# KiCad board hypjolin-main.kicad_pcb (continued)
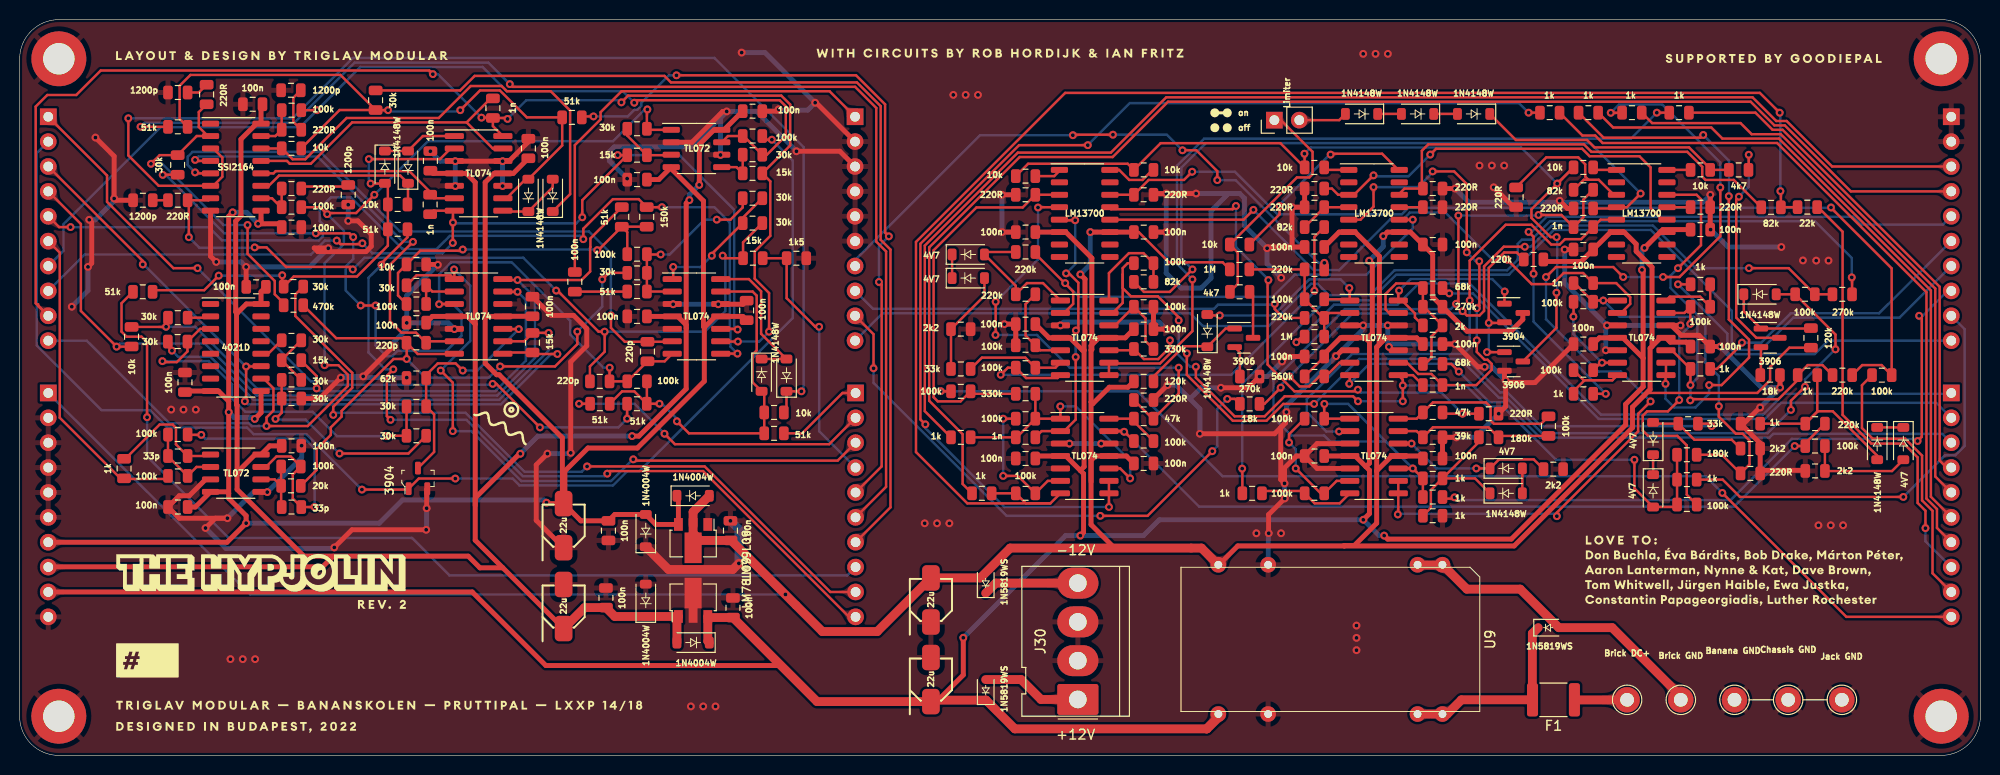
[diagram p0: board, top side]
## Nets (continued)
Net-(D26-Pad2): D26.2 R110.2 R114.1
Net-(D33-Pad1): D33.1 F1.2 U9.22 U9.23
Net-(D33-Pad2): D33.2 J29.1 U9.2 U9.3
Net-(F1-Pad1): F1.1 J28.1
Net-(IC1-Pad2): IC1.2 R23.2
Net-(IC1-Pad3): IC1.3 R19.2 R20.2 R25.2
Net-(IC1-Pad12): IC1.12 R24.2
Net-(IC3-Pad2): IC3.2 R47.2 R49.2 R50.1
Net-(IC3-Pad10): IC3.10 R10.2 R12.1
Net-(IC3-Pad15): IC3.15 R9.2 R11.1
Net-(IC4-Pad3): IC4.3 R14.2 R16.1
Net-(IC4-Pad5): IC4.5 R13.2 R15.1
Net-(IC5-Pad2): IC5.2 R44.2 R48.1
Net-(IC5-Pad9): IC5.9 R19.1 R22.2
Net-(IC5-Pad10): IC5.10 Q1.3 R20.1 R21.2
Net-(IC5-Pad13): IC5.13 R23.1 R26.2 R29.2
Net-(IC6-Pad1): IC6.1 R33.2 R34.1
Net-(IC6-Pad2): IC6.2 R30.2 R31.2 R32.1 R33.1
Net-(J14-Pad1): J14.1 R75.2 R76.1
Net-(Q2-Pad2): Q2.2 R77.1
Net-(Q2-Pad3): Q2.3 R76.2
Net-(Q3-Pad1): Q3.1 R73.1 U3.14
Net-(Q3-Pad2): Q3.2 Q5.1 R79.1
Net-(Q4-Pad2): Q4.2 R82.1
Net-(Q4-Pad3): Q4.3 R81.2
Net-(Q5-Pad3): Q5.3 R95.1 R118.1 R131.1 R139.1
Net-(R24-Pad1): R24.1 R26.1 R27.2
Net-(R25-Pad1): R25.1 R27.1 R28.2
Net-(R31-Pad1): R31.1 R35.2 R36.2 R38.2 R44.1
Net-(R51-Pad2): R51.2 R52.2 U1.14
Net-(R53-Pad2): R53.2 U1.13
Net-(R54-Pad1): R54.1 R55.1 R57.1 R61.2 R68.2 U3.2
Net-(R56-Pad1): R56.1 R59.1 R69.2 R72.2 U3.6
Net-(R58-Pad1): R58.1 R60.1 R70.2 R73.2 U3.13
Net-(R67-Pad2): R67.2 U1.12 U4.2
Net-(R75-Pad1): R75.1 U1.16
Net-(R80-Pad2): R80.2 R85.1 U4.6
Net-(R83-Pad2): R83.2 R84.2 U4.5
Net-(R85-Pad2): R85.2 R86.1 U4.7
Net-(R86-Pad2): R86.2 R87.2 U1.4
Net-(R89-Pad2): R89.2 U1.3 U2.12
Net-(R92-Pad1): R92.1 R94.1 U4.12
Net-(R95-Pad2): R95.2 U1.1
Net-(R97-Pad1): R97.1 U2.16
Net-(R100-Pad1): R100.1 R103.2 U4.14
Net-(R100-Pad2): R93.1 R100.2 U4.13
Net-(R102-Pad2): R102.2 U2.13
Net-(R103-Pad1): R103.1 R108.1 U2.4
Net-(R104-Pad1): R104.1 R105.2 U2.14
Net-(R106-Pad1): R96.2 R106.1 R113.1 U6.13
Net-(R107-Pad1): R107.1 R116.2 U7.13
Net-(R111-Pad1): R111.1 R112.1 U2.3
Net-(R113-Pad2): R113.2 R119.1 U6.14
Net-(R114-Pad2): R114.2 R115.2 R122.1 U8.13
Net-(R116-Pad1): R116.1 R120.2 U7.14
Net-(R117-Pad2): R117.2 U4.8 U4.9
Net-(R118-Pad2): R118.2 U2.1
Net-(R119-Pad2): R119.2 R121.2 U5.13
Net-(R122-Pad2): R122.2 R125.1 U8.14
Net-(R123-Pad2): R123.2 R124.2 R128.2 U5.14
Net-(R125-Pad2): R125.2 R126.2 U5.4
Net-(R127-Pad2): R127.2 R135.2 R143.2 U5.3
Net-(R130-Pad1): R130.1 R134.2 U6.6
Net-(R131-Pad2): R131.2 U5.16
Net-(R133-Pad2): R133.2 U6.8 U6.9
Net-(R134-Pad1): R134.1 R136.2 U6.7
Net-(R138-Pad1): R138.1 R141.2 U7.6
Net-(R139-Pad2): R139.2 U5.1
Net-(R141-Pad1): R141.1 R144.2 U7.7
Net-(R142-Pad2): R142.2 U7.8 U7.9
Net-(R146-Pad1): R146.1 R149.2 U8.6
Net-(R147-Pad2): R147.2 U8.8 U8.9

Pads without a net: IC1 1 4 5 6 7 13 14 15; IC3 1; U1 2 7 8 9 10 15; U2 2 7 8 9 10 15; U5 2 7 8 9 10 15

## Via types
v1: diameter 0.8, hole 0.4, Top to Bottom, 384 vias

## Routing (per net, layer and track width the routed paths; a pad name or vN(x,y) marks a point on that pad's centre or on a via; arc(x,y) is an arc through that point)
GND: length 589.9
  Top w0.5: C49.2 130.23,30.57 129.02,29.36 v1(129.02,27.77) 128.63,28.16 128.63,33.47 129.12,33.95 ; C49.2 132.34,31.84 U6.3 ; C49.2 132.34,29.3 U6.5 ; 140.02,41.36 v1(139.67,41.71) ; v1(100.45,44.03) C47.2 R84.1 ; R89.1 R87.1 v1(129.78,55.97) 129.78,52.03 129.91,51.91 ; R108.2 157.87,55.84 v1(157.09,56.63) ; v1(151.57,38.26) 151.45,38.38 Q5.2 ; v1(151.57,38.26) 151.77,38.06 154.56,38.06 C53.2 ; v1(151.57,38.26) 151.57,35.61 R121.1 ; v1(31.49,51.78) 31.46,51.81 30.05,51.81 30.42,51.44 35.33,51.44 35.87,51.97 35.87,53.21 34.5,54.57 v1(33.52,54.57) ; U7.12 v1(169.41,43.9) ; v1(149.43,39.67) 148.75,39.67 v1(146.42,42) C48.1 ; v1(81.14,66.64) 81.25,66.64 J38.2 ; R102.1 C41.2 ; J38.3 83.66,61.68 v1(79.24,61.68) ; v1(146.55,32.47) R106.2 C54.1 ; v1(177.54,35.52) 177.51,35.52 175.85,33.87 R99.2 177.54,31.87 R88.2 R105.1 177.85,29.11 182.08,29.11 ; 129.12,33.95 128.01,32.84 v1(120.39,32.84) ; 129.12,33.95 129.12,34.96 v1(129.21,35.06) ; v1(179.57,37.55) 179.57,38.81 ; 152.37,55.99 v1(150.36,58) ; 115.78,57.37 v1(116.96,57.37) v1(120.01,57.37) ; v1(42.66,50.09) 42.62,50.13 R38.1 ; 129.91,51.91 C40.1 ; 129.91,51.91 127.37,51.91 v1(127.24,51.78) ; v1(6.97,49.87) 7.36,50.25 7.36,54.43 v1(7.1,54.69) ; v1(25.26,26.89) 24.65,26.89 ; v1(146.42,57.87) R52.1 ; v1(7.74,63.08) 9.64,61.18 v1(9.64,56.86) 9.82,56.68 C6.1 ; v1(37.84,41.87) 37.84,41.49 v1(35.04,38.7) ; v1(23.1,49.87) 23.1,47.86 ; U3.12 v1(139.55,43.9) ; v1(32.1,21.23) 33.9,23.04 v1(41.47,23.04) ; v1(71.26,46.06) 73.79,46.06 C26.1 ; C28.1 54.23,44.92 56.5,44.92 57.85,43.57 57.85,41.82 56.21,40.18 v1(56.21,30.89) ; v1(128.77,40.22) 129.28,40.73 C43.2 ; v1(32.76,38.57) 30.62,36.43 R28.1 ; v1(72.13,65.75) 71.72,65.75 68.57,62.6 IC4.2 ; IC3.8 19.48,50.96 v1(20.06,50.38) ; 127.4,22.68 127.4,24.59 v1(129.05,26.24) ; C18.1 51.9,62.65 49.94,60.7 ; v1(53.84,30.81) 52.69,29.67 52.69,24 C16.1 ; 135.68,41.36 134.87,41.36 v1(134.27,40.76) ; v1(41.52,25.24) 41.52,27.17 Q1.2 ; R135.1 v1(100.19,57.24) ; U7.3 v1(161.92,43.9) ; 18.97,28.18 17.3,26.51 16.28,26.51 C31.1 16.28,24.21 21.19,24.21 v1(21.2,24.22) 19.97,24.22 v1(18.96,23.21) ; v1(161.79,41.36) 162.98,41.36 ; 115.65,36.38 v1(117.08,37.81) ; R94.2 C44.1 v1(116.96,43.52) ; v1(122.53,37.53) 122.53,37.53 125.32,37.53 R77.2 ; C19.2 77.23,65.78 v1(77.43,65.97) ; 168.48,43.9 169.49,42.9 171.29,42.9 C50.1 v1(173.47,41.75) ; v1(44.44,60.67) v1(49.26,60.67) ; v1(100.19,53.43) C52.1 ; C45.2 v1(116.96,53.43) ; 172.46,55.99 v1(172.46,57.24) ; U3.3 v1(137.04,43.9) ; C46.1 v1(157.6,51.65)
  Top w0.9: D10.1 66.19,18.98 72.75,18.98 v1(73.37,19.6)
  Bottom w0.5: 119.37,36.4 120.39,35.38 v1(120.39,32.84) ; 119.37,36.4 120.51,37.53 v1(122.53,37.53) ; 119.37,36.4 117.96,37.81 v1(117.08,37.81) ; 152.39,56.48 147.82,56.48 v1(146.42,57.87) ; 152.39,56.48 151.88,56.48 v1(150.36,58) ; 152.39,56.48 156.94,56.48 v1(157.09,56.63) 157.24,56.48 171.69,56.48 v1(172.46,57.24) ; v1(56.21,30.89) 56.14,30.81 v1(53.84,30.81) ; v1(126.48,38.68) 127.23,38.68 v1(128.77,40.22) ; v1(150.87,34.89) 148.45,32.47 v1(146.55,32.47) ; v1(128.68,48.76) 127.24,50.2 v1(127.24,51.78) 124.93,54.1 124.93,56.89 124.45,57.37 123.31,57.37 ; v1(172.48,53.69) 174.26,51.91 v1(179.69,51.91) ; v1(110.32,31.83) 110.32,31.84 107.08,31.84 v1(107.08,31.83) ; v1(129.02,27.77) 129.02,26.26 v1(129.05,26.24) ; v1(31.49,51.78) 29.58,49.87 v1(23.1,49.87) 22.6,50.38 v1(20.06,50.38) ; v1(39.49,44.16) 39.49,46.95 42.62,50.09 v1(42.66,50.09) ; v1(39.49,44.16) 39.49,43.52 v1(37.84,41.87) ; v1(39.49,44.16) 43.72,44.16 v1(44.35,43.52) ; v1(9.64,56.86) 9.64,56.6 7.72,54.69 v1(7.1,54.69) ; v1(35.04,38.7) 32.88,38.7 v1(32.76,38.57) v1(39.49,38.57) ; 123.31,57.37 v1(120.01,57.37) ; 123.31,57.37 121.53,55.59 121.53,48.73 120.51,47.71 118.48,47.71 116.96,49.24 v1(116.96,53.43) v1(116.96,57.37) ; v1(72.13,65.75) 68.52,62.14 60.65,62.14 60.15,61.64 60.15,60.7 v1(61.97,58.89) ; v1(72.13,65.75) 71.49,65.11 v1(71.49,61.3) ; v1(72.13,65.75) 75.17,65.75 v1(79.24,61.68) ; v1(149.43,39.67) 150.16,39.67 v1(151.57,38.26) ; v1(169.41,43.9) v1(161.92,43.9) ; v1(161.92,43.9) 157.6,48.22 v1(157.6,51.65) ; v1(161.92,43.9) 161.79,43.78 v1(161.79,41.36) ; v1(18.96,23.21) 21.05,21.13 31.99,21.13 v1(32.1,21.23) ; v1(100.19,57.24) v1(100.19,53.43) ; v1(173.47,41.75) 177.66,37.55 v1(179.57,37.55) v1(177.54,35.52) ; v1(6.97,49.87) 6.97,47.46 v1(5.32,45.81) ; v1(21.2,24.22) 23.87,26.89 v1(25.26,26.89) 28.77,30.39 v1(28.77,31.62) ; v1(66.66,46.06) v1(71.26,46.06) ; v1(33.52,56.22) v1(33.52,54.57) ; v1(44.44,58.13) v1(44.44,60.67) 42.92,60.67 v1(41.9,61.68) ; v1(49.27,58.13) 49.26,58.13 v1(49.26,60.67) ; v1(146.42,42) 139.96,42 v1(139.67,41.71) 139.55,41.84 v1(139.55,43.9) v1(137.04,43.9) 137.04,43.53 v1(134.27,40.76) 129.21,35.71 v1(129.21,35.06) ; v1(77.43,65.97) 77.52,65.88 80.38,65.88 v1(81.14,66.64) 76.02,71.75 v1(73.65,71.75) ; v1(116.96,43.52) 116.25,44.23 106.49,44.23 v1(106.16,43.9) ; 127.37,19.43 127.37,22.66 127.4,22.68 ; v1(41.52,25.24) 41.52,23.09 v1(41.47,23.04)
  Bottom w0.9: v1(72.51,23.95) 73.37,23.09 v1(73.37,19.6)
  vias: v1(15.46,35.3) v1(16.72,35.3) v1(17.97,35.3) v1(21.5,9.83) v1(22.76,9.83) v1(24.02,9.83) v1(68.47,5) v1(69.73,5) v1(70.98,5) v1(92.32,23.7) v1(93.58,23.7) v1(94.83,23.7) v1(95.24,67.44) v1(96.5,67.44) v1(97.75,67.44) v1(126.15,22.68) v1(127.41,22.68) v1(128.67,22.68) v1(136.36,13.26) v1(136.36,12) v1(136.36,10.74) v1(137.05,71.63) v1(138.31,71.63) v1(139.56,71.63) v1(148.91,60.22) v1(150.17,60.22) v1(151.42,60.22) v1(181.9,50.53) v1(183.25,50.52) v1(183.48,23.49) v1(184.51,50.52) v1(184.74,23.49) v1(185.99,23.49)
VCC: length 391.1
  Top w0.25: C45.1 114.15,53.43 117.23,50.35 122.71,50.35 R61.1 ; 133.07,40.7 R69.1
  Top w0.5: J32.9 46.17,16.69 53.68,9.18 77.66,9.18 ; 137.32,29.47 137.68,29.83 137.68,42.23 137.4,42.51 ; 137.32,29.47 137.68,29.11 137.68,24.68 v1(137.06,24.06) ; 137.32,29.47 136.23,30.57 ; Q3.3 153.33,44.51 152.12,43.3 147.64,43.3 R70.1 144.13,46.81 144.13,51.16 C39.1 141.87,53.43 139.51,53.43 v1(139.09,53.01) ; 108.58,41.36 108.58,42.71 108.67,42.8 108.67,48.64 v1(108.19,49.11) ; 108.58,41.36 108.58,29.47 108.19,29.09 ; 108.58,41.36 108.41,41.36 107.14,42.63 U4.4 105,42.63 C47.1 ; 137.4,42.51 137.28,42.63 U3.4 134.73,42.63 133.07,40.97 ; 137.4,42.51 137.97,43.08 137.97,50.19 v1(137.66,50.51) ; 108.19,29.09 106.72,30.57 ; 108.19,29.09 108.52,28.76 108.52,22.77 v1(108.19,22.44) ; 81.34,5.5 77.66,9.18 ; 77.66,9.18 C11.1 ; v1(109.21,53.43) C45.1 ; 93.53,5.5 96.26,8.22 v1(96.26,12.01) ; C53.1 161.14,42.63 U7.4 ; U6.4 C49.1 ; 165.6,40.57 163.53,42.63 ; 165.6,40.57 165.6,37.64 163.82,35.86 163.82,33.75 152.15,22.08 139.54,22.08 v1(139.18,22.44) ; 165.6,40.57 165.6,49.45 v1(165.48,49.57) ; C41.1 167.61,53.68 v1(165.74,51.81) ; U8.4 103.86,30.57 C51.1
  Top w0.9: 121.07,2.71 101.52,2.71 98.58,5.64 D12.1 93.1,5.64 ; 121.07,2.71 122.29,3.93 ; 121.07,2.71 121.1,2.71 122.27,3.88 U9.14 ; D8.1 70.2,11.67 IC7.3 70.31,14.07 C11.1 81.34,5.5 C33.1
  Bottom w0.5: v1(109.21,53.43) 109.21,50.13 v1(108.19,49.11) ; v1(137.66,50.51) 139.09,51.94 v1(139.09,53.01) ; v1(165.48,49.57) 165.48,51.56 v1(165.74,51.81) ; 138.67,22.44 v1(137.06,24.06) 116.25,24.06 114.64,22.44 v1(108.19,22.44) 106.68,22.44 v1(96.26,12.01)
VEE: length 367.9
  Top w0.25: v1(78.12,16.43) 79.2,15.35 79.2,15.33 ; 166.11,37.16 166.26,37.01 177.24,37.01 178.55,38.31 178.55,39.66 180.51,41.62 R74.2
  Top w0.5: 138.42,29.05 138.42,23.71 136.13,21.43 135.12,21.43 ; 138.42,29.05 139.94,30.57 ; 138.42,29.05 138.42,41.68 138.46,41.72 ; C50.2 169.99,42.2 168.37,42.2 U7.11 ; R71.2 113.06,37.59 111.15,37.59 109.46,35.9 109.29,36.08 ; 138.46,41.72 139.38,42.63 U3.11 142.5,42.63 C48.2 ; 138.46,41.72 138.67,41.93 138.67,44.03 138.7,44.06 138.7,50.96 136.23,53.43 ; 135.12,21.43 135.08,21.39 124.25,21.39 122.29,19.43 ; 135.12,21.43 135.16,21.39 152.44,21.39 164.52,33.46 164.52,35.57 166.31,37.36 166.31,41.57 166.5,41.76 ; 163.53,53.43 163.67,53.43 164.89,52.2 164.89,51.46 166.5,49.85 166.5,41.76 ; C44.2 112.77,42.63 U4.11 110.09,42.63 109.29,41.83 109.29,41.36 ; 109.29,36.08 109.29,23.56 111.6,21.25 111.52,21.17 109.46,21.17 119.5,21.17 ; 109.29,36.08 109.29,41.36 ; 135.68,53.43 134.59,53.43 C40.2 ; C42.2 112.89,30.57 U8.11 109.73,30.57 109.29,30.12 109.29,27.94 ; C54.2 142.88,30.57 U6.11 ; 106.72,53.43 109.37,50.78 109.37,41.44 109.29,41.36 ; 155.62,50.43 159.28,50.43 C46.2 162.28,53.43 ; 166.5,41.76 167.38,42.63 ; 106.16,53.43 C52.2
  Top w0.9: IC8.2 68.7,24.86 D7.2 ; C12.2 69.43,21.95 68.7,22.68 ; 122.29,19.43 120.55,21.17 101.05,21.17 98,18.12 C34.2 87.48,12.65 81.88,12.65 72.58,21.95
  Bottom w0.25: J32.1 23.5,16.43 v1(78.12,16.43)
/-X': length 151.7
  Top w0.25: 105.14,25.73 U8.7 ; 105.14,25.73 96.67,25.73 91.43,30.97 91.43,52.43 106.64,67.64 177.51,67.64 v1(179.53,65.62) ; 105.14,25.73 102.63,25.73 R149.1 R150.1 ; R51.1 179.65,57.56 v1(179.6,57.62) ; 179.81,55.97 R148.2
  Bottom w0.25: v1(179.6,57.62) 179.6,65.54 v1(179.53,65.62)
/cv_f_pot: length 32.2
  Top w0.25: v1(65.78,32.84) 66.84,31.77 82.58,31.77 J41.2 ; R41.1 v1(57.06,35.9)
  Bottom w0.25: v1(65.78,32.84) 65.78,32.85 62.73,35.9 v1(57.06,35.9)
/damp_mod_pot: length 58
  Top w0.25: J38.9 87.1,43 v1(87.1,39.53) ; R56.2 123.96,36.4 v1(123.18,36.4) ; v1(121.66,31.06) 115.05,24.46 v1(110.23,24.46)
  Bottom w0.25: v1(87.1,39.53) 87.1,38.03 100.68,24.46 v1(110.23,24.46) ; v1(121.66,31.06) 122.16,31.57 122.16,35.38 v1(123.18,36.4)
/damp_pot: length 115
  Top w0.25: v1(186.88,48.81) 186.91,48.78 R59.2
  Bottom w0.25: J38.10 88.01,45.14 119.41,45.14 120.71,43.84 127.43,43.84 131.74,48.15 132.38,48.15 133.54,47 137.7,47 140.24,49.53 151.73,49.53 152.81,50.61 152.81,52.23 153.23,52.66 154.22,52.66 156.1,54.54 183.12,54.54 186.88,50.78 v1(186.88,48.81)
/ext_in: length 45.3
  Top w0.25: C5.1 56.63,62.31 59.26,64.94 59.26,65.67 61.41,67.81 82.61,67.81 J38.1
/F_CV: length 121.7
  Top w0.25: 78.22,35.28 D6.1 79.74,37.17 v1(79.75,37.17) ; 19.75,58.16 20.68,59.08 20.68,61.04 19.75,61.97 ; IC3.6 14.19,58.16 11.09,61.25 v1(11.09,65.05)
  Bottom w0.25: v1(11.09,65.05) 27.83,65.05 33.99,71.21 70.87,71.21 79.96,62.11 79.96,37.39 v1(79.75,37.17)
/fine_pot: length 76.4
  Top w0.25: 130.81,42.76 v1(130.23,42.18)
  Bottom w0.25: v1(130.23,42.18) 134.06,46.01 140.54,46.01 142.71,48.18 147.91,48.18 161.3,34.8 177.84,34.8 179.96,36.92 196.94,36.92
/freq_a_pot: length 99.8
  Top w0.25: R3.1 44.93,67.89 46.41,69.38 65.78,69.38 66.44,68.71 85.41,68.71 87.83,66.29 87.83,52.64 88.83,51.64 88.83,25.33 J41.7
/freq_b_pot: length 78.1
  Top w0.25: v1(31.99,34.76) 31.99,35.59 33.93,37.53 33.93,39.06 28.12,44.87 28.12,47.05 R5.1 ; v1(57.88,29.5) 69.87,29.5 82.69,16.69 J41.9
  Bottom w0.25: v1(57.88,29.5) 57.33,28.95 51.51,28.95 45.48,34.99 32.21,34.99 v1(31.99,34.76)
/freq_cv_a_pot: length 75.4
  Top w0.25: v1(58.54,65.24) 57.44,65.24 ; v1(67,69.44) 85.32,69.44 88.28,66.47 88.28,53.38 v1(88.66,53) ; J41.5 87.93,29.51 87.93,48.06 v1(87.66,48.34)
  Bottom w0.25: v1(67,69.44) 66.22,69.44 63.42,66.63 63.42,66.34 62.99,65.91 62.7,65.91 62.03,65.24 v1(58.54,65.24) ; v1(87.66,48.34) 87.66,51.99 v1(88.66,53)
/freq_cv_b_pot: length 78.6
  Top w0.25: v1(59.94,28.76) 60.21,29.03 69.71,29.03 84.6,14.15 ; v1(37.83,34.26) 37.46,34.63 37.46,38.76 v1(38.12,39.42) ; v1(36.91,50.09) 36.91,50.24 39.56,52.9 R2.1
  Bottom w0.25: v1(36.91,50.09) 35.59,48.77 35.59,41.13 37.3,39.42 v1(38.12,39.42) ; v1(37.83,34.26) 45.57,34.26 51.33,28.51 59.68,28.51 v1(59.94,28.76)
/freq_f_pot: length 75.7
  Top w0.25: v1(53.08,33.49) 48.63,37.94 v1(48.25,37.94) ; v1(18.15,49.75) 15.69,49.75 8.92,56.52 8.92,59.21 J34.1 ; v1(61.97,34.38) R43.1
  Bottom w0.25: v1(61.97,34.38) 61.08,33.49 v1(53.08,33.49) ; v1(48.25,37.94) 48.16,37.85 32.33,37.85 31.98,38.19 29.7,38.19 v1(18.15,49.75)
/gain_mod_pot: length 59.8
  Top w0.25: v1(122.16,58.74) 122.16,59.65 120.03,61.78 v1(118.61,61.78) ; v1(107.43,63.32) 107.48,63.37 v1(111.52,63.37) ; 133.09,49.63 v1(133.09,50.29)
  Bottom w0.25: 85.22,50.58 97.96,63.32 v1(107.43,63.32) ; v1(122.16,58.74) 124.03,58.74 132.48,50.29 v1(133.09,50.29) ; v1(118.61,61.78) 117.02,63.37 v1(111.52,63.37)
/gain_pot: length 47.7
  Top w0.25: R55.2 128.92,44.67 128.02,45.56 v1(128.02,46.1)
  Bottom w0.25: v1(128.02,46.1) 127.95,46.03 122.24,46.03 121.81,45.59 87.05,45.59 J38.8
/LEDU: length 51.7
  Top w0.25: R117.1 177.05,65.62 178.8,63.87 179.82,63.87 195.85,47.85 195.85,30.1 196.56,29.39
/LEDX: length 71.6
  Top w0.25: R147.1 159.41,63.29 160.71,63.29 161.47,62.52 179.26,62.52 194.5,47.29 194.5,26.22 195.57,25.15 195.57,23.22 J36.7
/LEDY: length 65.4
  Top w0.25: 161.03,65.62 162.54,64.11 172.55,64.11 173.69,62.97 179.45,62.97 194.95,47.48 194.95,26.41 197.03,24.33
/LEDZ: length 58.9
  Top w0.25: R133.1 166.52,64.56 175.53,64.56 176.67,63.42 179.64,63.42 195.4,47.66 195.4,28.48 J36.5
/offset_switch: length 132.4
  Top w0.25: Q1.1 40.72,28.27 v1(44.44,28.27) ; 39.59,27.14 v1(34.91,27.14) ; v1(76.73,62.86) 76.13,62.86 R17.2
  Bottom w0.25: v1(76.73,62.86) 78.86,60.74 78.86,44.65 63.22,29.01 61.97,29.01 60.52,27.56 50.99,27.56 50.29,28.27 v1(44.44,28.27) ; J34.2 1.75,61.49 1.75,41.86 8.36,35.25 13.3,35.25 15.08,33.47 23.2,33.47 23.88,32.8 29.26,32.8 v1(34.91,27.14)
/OUT: length 67.4
  Top w0.25: R32.2 60.09,49.27 v1(59.43,48.6) ; R66.1 30.31,29.15 30.31,31.28 31.74,32.72 31.74,33.49 32.85,34.6 32.85,35.17 38.15,40.47 v1(39.49,40.47) 39.49,42.11 ; 44.31,40.98 40.61,40.98 C10.2 39,42.6 32.29,42.6 R50.2 ; v1(49.01,39.71) 54.61,39.71 56.89,41.99 v1(56.89,43.27)
  Bottom w0.25: v1(56.89,43.27) 59.43,45.81 v1(59.43,48.6) ; v1(49.01,39.71) 47.87,38.57 41.39,38.57 v1(39.49,40.47)
/out -U: length 33.4
  Top w0.25: v1(169.15,48.09) R120.1
  Bottom w0.25: v1(169.15,48.09) 174.2,43.05 174.2,41.83 175.06,40.97 183.11,40.97 184.49,42.35 J13.10
/out -X: length 141.1
  Top w0.25: J13.4 186.78,57.59 180.05,64.32 178.99,64.32 176.57,66.74 117.14,66.74 111.49,61.09 102.01,61.09 92.78,51.87 92.78,36.21 96.19,32.8 96.19,27.71 R150.2
/out -Y: length 65.5
  Top w0.25: v1(161.79,36.92) R144.1 ; v1(153.92,53.45) 154.42,52.94 v1(154.42,49.17)
  Bottom w0.25: v1(153.92,53.45) 154.23,53.45 155.77,54.99 187.01,54.99 187.81,54.2 196.18,54.2 J13.5 ; v1(161.79,36.92) 154.42,44.28 v1(154.42,49.17)
/out -Z: length 100.6
  Top w0.25: R136.1 124.72,29.27 v1(124.7,29.29)
  Bottom w0.25: v1(124.7,29.29) 124.7,37.93 133.24,46.46 137.81,46.46 140.43,49.08 151.91,49.08 156.48,53.65 166.39,53.65 174.65,45.39 174.65,42.02 175.25,41.42 177.64,41.42 180.92,44.7 191.76,44.7 J13.7
/out U: length 44.1
  Top w0.25: R109.1 173.71,28.16 175.48,26.39 v1(192.14,26.39)
  Bottom w0.25: v1(192.14,26.39) 196.4,30.64 197.44,30.64 198.39,31.6 198.39,43.52 J13.9
/out X: length 134.6
  Top w0.25: R145.2 92.33,35.15 92.33,52.05 101.82,61.54 111.31,61.54 116.95,67.19 176.76,67.19 179.18,64.77 180.23,64.77 184.88,60.13 J13.3
/out Y: length 30.1
  Top w0.25: R137.2 173.13,39.46 175.68,42.01 v1(175.68,42.14)
  Bottom w0.25: J13.6 189.67,45.15 180.66,45.15 177.66,42.14 v1(175.68,42.14)
/out Z: length 68.2
  Top w0.25: 145.3,26.21 146.23,26.21 v1(146.36,26.35) ; v1(193.6,32.1) 194.02,32.52 194.02,44.62 v1(193.75,44.88)
  Bottom w0.25: v1(146.36,26.35) 146.64,26.07 174.52,26.07 180.76,32.31 193.39,32.31 v1(193.6,32.1) ; 196.65,47.43 194.11,44.88 v1(193.75,44.88)
/OUT_AMP: length 31.4
  Top w0.25: 10.72,28.22 14.82,28.22 ; 10.28,28.29 4.1,34.47 4.1,51.33 J34.6
/P1: length 102.2
  Top w0.25: R17.1 72.25,63.24 IC4.7 ; v1(30.34,65.88) R11.2 ; v1(62.69,66.64) 62.95,66.89 77.53,66.89 78.15,66.27 78.15,63.25 76.23,61.33 R15.2 73.85,63.24
  Bottom w0.25: 31.87,67.4 28.6,64.13 14.37,64.13 4.47,54.24 4.47,51.52 J34.7 ; 31.87,67.4 34.75,70.28 47.23,70.28 49.7,67.81 61.52,67.81 v1(62.69,66.64) ; 31.87,67.4 v1(30.34,65.88)
/P2: length 106.7
  Top w0.25: R16.2 63.98,65.9 v1(64.03,65.95) ; 64.09,63.87 IC4.1 ; v1(36.19,57.24) 34.32,55.37 31.48,55.37 v1(31.37,55.26) 30.67,55.97 R12.2 ; v1(31.11,39.84) 32.51,39.84 33.48,38.87 33.48,37.72 29.39,33.63 v1(25.19,33.63) 25.19,34.51 25.89,35.21 25.89,37.49 24.9,38.47
  Bottom w0.25: v1(64.03,65.95) 63.76,65.95 60.52,62.71 41.66,62.71 v1(36.19,57.24) ; J34.10 6.84,42.35 15.26,33.92 23.38,33.92 23.68,33.63 v1(25.19,33.63) ; v1(31.37,55.26) 33.08,53.56 33.08,52.21 31.11,50.24 v1(31.11,39.84)
/PWM: length 96
  Top w0.25: R36.1 63.15,56.79 60.52,56.79 57.5,53.77 v1(57.5,52.7) ; 71.53,41.02 v1(73.22,41.02) ; v1(5.2,53.94) 4.03,53.94 J34.5 ; v1(65.52,55.97) 63.97,55.97
  Bottom w0.25: v1(57.5,52.7) 57.15,53.05 43.89,53.05 42.55,51.71 39.06,51.71 33.79,56.97 31.76,56.97 30.61,55.82 30.61,54.56 30.94,54.22 30.94,53 30.52,52.58 24.29,52.58 24.28,52.59 20.64,52.59 19.31,53.92 5.21,53.92 v1(5.2,53.94) ; v1(65.52,55.97) 70.86,55.97 72.44,54.4 72.44,43.65 72.51,43.58 72.51,41.73 v1(73.22,41.02)
/rate_mod_pot: length 58.6
  Top w0.25: 145.28,47.71 v1(145.82,47.17)
  Bottom w0.25: v1(145.82,47.17) 148.24,47.17 161.07,34.35 178.02,34.35 179.67,36 195.5,36 J36.2
/rate_pot: length 55.5
  Top w0.25: R60.2 146.03,39.97 v1(146.8,39.19)
  Bottom w0.25: J36.3 196.13,32.82 178.86,32.82 178.48,32.45 155.09,32.45 151.48,36.06 149.93,36.06 v1(146.8,39.19)
/reso_pot_A: length 27
  Top w0.25: R39.1 R40.2 78.24,46.68 81.16,43.76 v1(81.55,43.76)
  Bottom w0.25: J41.4 81.55,33.1 v1(81.55,43.76)
/reso_pot_B: length 70.3
  Top w0.25: R48.2 40.49,49.02 43.95,49.02 IC5.1 44.34,49.59 v1(44.31,49.62) ; v1(62.59,30.23) 62.72,30.1 83.44,30.1 J41.3 ; v1(42.95,39.29) 44.19,38.06 v1(44.19,33.11)
  Bottom w0.25: v1(44.31,49.62) 45.96,47.97 45.96,42.31 v1(42.95,39.29) ; v1(44.19,33.11) 46.08,33.11 51.18,28.01 60.33,28.01 62.55,30.23 v1(62.59,30.23)
/run_a_pot: length 126
  Top w0.25: R4.1 12.34,64.18 v1(12.33,64.18) ; v1(50,68.53) 50.27,68.26 85.22,68.26 87.38,66.1 87.38,52.45 88.38,51.45 88.38,27.42 J41.6
  Bottom w0.25: v1(50,68.53) 47.8,70.73 34.17,70.73 28.02,64.58 12.73,64.58 v1(12.33,64.18)
/run_b_pot: length 96.9
  Top w0.25: v1(13,34.53) 13,42.18 12.44,42.75 10.92,42.75 10.39,43.27 10.39,46.16 R6.1
  Bottom w0.25: J41.8 84.42,18.38 43.85,18.38 40.03,22.2 21.33,22.2 13,30.52 v1(13,34.53)
/RUN_CV: length 92.6
  Top w0.25: R35.1 58.22,52.78 58.22,51.9 58.19,51.88 58.19,49.41 57.32,48.54 49.38,48.54 ; J34.4 6.25,54.26 6.25,45.38 v1(9.9,41.73) 11.4,41.73
  Bottom w0.25: v1(9.9,41.73) 10.22,42.05 18.88,42.05 24.19,36.74 48.72,36.74 52.57,40.59 52.57,46.76 v1(50.79,48.54)
/run_f_pot: length 9
  Top w0.25: R42.1 79.81,32.88 83.94,37.01 J41.1
/shape_IN1: length 113.7
  Top w0.25: v1(173.68,26.8) 186.33,14.15 J36.10 ; R127.1 93.97,37.17 v1(93.95,37.19)
  Bottom w0.25: v1(93.95,37.19) 93.97,37.18 114.03,37.18 122.71,28.5 171.97,28.5 v1(173.68,26.8)
/shape_IN2: length 28.3
  Top w0.25: J36.9 195.12,18.59 195.12,24.97 194.05,26.04 194.05,30.61 192.33,32.33 189.01,32.33 187.92,33.43 187.92,37.79 R128.1
/shape_OUT: length 44.3
  Top w0.25: v1(194.4,23.2) 194.4,24.98 193.6,25.77 193.6,30.43 192.19,31.83 188.88,31.83 185.94,34.77 185.94,53.47 183.44,55.97
  Bottom w0.25: J36.8 194.4,21.86 v1(194.4,23.2)
/T1: length 139.1
  Top w0.25: v1(42.15,69.56) 41.79,69.93 8.27,69.93 5.77,67.43 2.82,67.43 1.64,66.25 1.64,46.17 J34.9 1.89,45.91 1.89,46.06 ; v1(47.11,65.11) 48.24,65.11 ; IC2.14 48.27,64.25 C3.2 49.68,65.08 v1(49.77,64.99) ; v1(76.44,43.26) 76.44,43.26 76.44,47.21 74.98,48.67 74.98,51.45 76.57,53.04 76.57,58.61 R13.1 78.6,62.27 78.6,66.45 77.69,67.36 62.07,67.36 v1(61.38,66.67) ; v1(73.27,42.25) 71.54,42.25
  Bottom w0.25: v1(42.15,69.56) 42.66,69.56 v1(47.11,65.11) ; v1(49.77,64.99) 51.68,66.89 61.17,66.89 v1(61.38,66.67) ; v1(76.44,43.26) 75.43,42.25 v1(73.27,42.25)
/T2: length 101.3
  Top w0.25: IC6.10 73.17,43.55 v1(73.24,43.48) ; v1(34.96,52.28) 34.87,52.2 32.72,52.2 v1(32.35,52.56) ; IC2.7 42.24,55.62 C4.2 ; 44.2,55.48 v1(44.2,54.41) 44.19,54.39 v1(44.19,52.32) ; v1(57.39,54.94) 57.39,56.69 R14.1 61.01,61.28 v1(61,61.29)
  Bottom w0.25: v1(57.39,54.94) 56.77,54.32 44.29,54.32 v1(44.2,54.41) ; v1(73.24,43.48) 72.89,43.83 72.89,55.7 67.3,61.29 v1(61,61.29) ; J34.8 6.64,51.14 29.72,51.14 31.14,52.56 v1(32.35,52.56) ; v1(44.19,52.32) 43.12,51.26 35.99,51.26 v1(34.96,52.28)
/V+: length 247.8
  Top w0.5: C30.1 25.51,31.6 IC9.8 ; C15.1 49.29,19.15 ; 49.29,19.15 46.47,21.97 46.47,44.03 ; 49.29,19.15 46.96,19.15 45.76,20.34 29,20.34 22.18,27.16 22.18,28.89 ; 2.95,19.25 30.9,19.25 31.99,20.34 ; 22.18,28.89 24.02,30.72 ; 22.18,28.89 22.18,35.75 22.13,35.81 22.13,45.09 22.18,45.14 ; IC6.4 C25.1 ; 67.99,43.59 67.99,56.37 v1(68.32,56.69) ; 67.99,43.59 67.99,43.95 67.12,44.82 ; 67.99,43.59 67.99,37.42 63.17,32.6 v1(62.47,32.6) ; 46.47,44.03 46.47,58.51 45.56,59.43 IC2.4 42.17,59.43 C17.1 ; 46.47,44.03 45.68,44.82 IC5.4 42.1,44.82 C27.1 ; 22.18,45.14 23.13,46.09 IC1.16 24.63,47.35 C23.1 ; 22.18,45.14 22.04,45.28 22.04,54.55 22.58,55.09 22.58,62.91 24.17,64.51 ; v1(51.08,30.8) 50.99,30.8 46.47,26.28 46.47,25.5 ; v1(69.32,58.24) 69.33,58.25 69.33,62.37 70.83,63.87 IC4.8 ; IC3.16 24.63,66.33 ; 71.85,63.87 C19.1
  Top w0.9: D8.2 67.05,14.04 IC7.1 D9.1 60.71,14.19 C13.1 57.63,15.09 C15.1
  Bottom w0.5: v1(51.08,30.8) 52.88,32.6 v1(62.47,32.6) ; v1(68.32,56.69) 68.32,57.24 v1(69.32,58.24)
/V-: length 224.1
  Top w0.5: C28.2 49.3,44.83 ; 16.97,37.2 IC1.8 20.28,37.2 21.33,36.16 ; IC5.11 47.52,44.82 47.49,44.79 ; C22.2 26.39,54.28 v1(24.32,54.28) 24.63,54.58 IC3.9 ; 55.62,25.83 55.62,29.03 57.97,31.38 63.01,31.38 69.84,38.21 69.84,43.7 ; IC1.9 24.63,35 v1(23.98,34.35) ; v1(21.73,55.45) 21.33,55.04 21.33,36.16 ; 67.2,26.36 IC8.3 64.89,23.58 D10.2 60.71,24.6 C14.2 57.25,23.95 C16.2 53.83,25.71 v1(53.74,25.81) ; 55.36,25.83 55.36,32.42 48.92,38.86 48.66,38.86 47.49,40.04 47.49,44.79 ; 21.33,36.16 21.33,26.76 ; 47.49,44.79 47.49,58.51 48.4,59.43 IC2.11 50.36,59.43 C18.2 ; C26.2 73.77,44.82 IC6.11 ; J32.7 21.16,21.77 v1(23.1,23.71) 23.1,24.47 21.33,26.25 21.33,26.76 ; 69.84,43.7 69.75,43.79 69.75,56.61 66.47,59.9 IC4.4 65.2,58.79 C20.2 ; 69.84,43.7 70.96,44.82 ; C31.2 17.93,25.36 IC9.4 21.18,26.91 21.33,26.76
  Bottom w0.5: v1(53.74,25.81) 53.46,26.08 39.06,26.08 36.69,23.71 v1(23.1,23.71) ; v1(23.98,34.35) 23.84,34.5 21.88,34.5 v1(21.33,35.05) ; v1(21.73,55.45) 23.16,55.45 24.32,54.28 v1(24.32,54.28)
/XOR: length 73.4
  Top w0.25: J34.3 12.56,50.48 v1(12.56,50.13) ; v1(22.98,36.16) 23.1,36.16 v1(23.1,39.71) 24.6,39.71 ; 52.47,40.98 v1(54.85,40.98) ; R22.1 49.41,41.13
  Bottom w0.25: v1(22.98,36.16) 23.29,35.84 49.09,35.84 54.23,40.98 v1(54.85,40.98) ; v1(12.56,50.13) 12.65,50.13 23.06,39.71 v1(23.1,39.71)
Net-(C1-Pad1): length 4.7
  Top w0.25: C1.1 27.92,67.15 27.92,64.69 R9.1
Net-(C2-Pad1): length 4.4
  Top w0.25: 28.94,58.08 33.36,58.08
Net-(C3-Pad1): length 31.1
  Top w0.25: 45.6,64.63 48.26,61.97 IC2.13 ; 45.6,64.63 48.05,67.08 ; 45.6,64.63 33.92,64.63 29.71,60.41 27.55,60.41 27.27,60.7 IC3.13
Net-(C4-Pad1): length 20.3
  Top w0.25: IC2.6 42.24,56.89 ; IC3.12 25.9,59.43 26.12,59.65 39.75,59.65 41.88,57.53
Net-(C5-Pad2): length 5.3
  Top w0.25: C5.2 61.97,47.35
Net-(C6-Pad2): length 1.6
  Top w0.25: R37.1 C6.2
Net-(C7-Pad1): length 84.7
  Top w0.25: v1(23.98,51.87) 25.18,51.87 27.18,49.87 33.73,49.87 v1(33.98,49.62) ; v1(71.71,51.03) 71.98,50.76 R39.2 73.79,52.38 R34.2 ; v1(54.73,47.46) 54.85,47.46 59.05,43.26 v1(59.68,43.26) 59.68,41.22 58.17,39.72 C7.1 ; 17.26,56.55 v1(17.26,52.91) ; IC3.7 19.27,56.68 R37.2
  Bottom w0.25: v1(33.98,49.62) 35.18,50.81 51.38,50.81 v1(54.73,47.46) ; v1(23.98,51.87) 23.93,51.82 18.35,51.82 v1(17.26,52.91) ; v1(59.68,43.26) 69.89,43.26 71.99,45.37 71.99,50.75 v1(71.71,51.03)
Net-(C7-Pad2): length 88.9
  Top w0.25: v1(30.22,53.3) 33.64,53.3 v1(34.03,52.92) ; v1(34.79,45.94) v1(36.31,45.94) ; v1(42.79,46.06) 42.82,46.09 IC5.3 ; IC6.7 65.79,40.23 C8.2 61.99,38.19 ; v1(14.59,59.27) 14.61,59.29 R47.1 ; v1(60.19,39.59) 60.17,39.57 C7.2 R45.2
  Bottom w0.25: v1(30.22,53.3) 20.88,53.3 14.91,59.27 v1(14.59,59.27) ; v1(36.31,45.94) 36.31,41.86 37.41,40.77 38.01,40.77 38.54,41.3 43.53,41.3 45.08,42.84 45.08,45.18 44.19,46.06 v1(42.79,46.06) 42.79,49.12 44.01,50.34 50.19,50.34 56.16,44.37 56.16,42.97 59.54,39.59 v1(60.19,39.59) ; v1(34.03,52.92) 34.03,50.68 33.26,49.92 33.26,47.46 v1(34.79,45.94)
Net-(C8-Pad1): length 65.6
  Top w0.25: 66.52,42.23 C8.1 61.73,42.23 60.31,43.65 v1(60.31,44.92) ; IC3.5 18,59.43 v1(17.9,59.53)
  Bottom w0.25: v1(17.9,59.53) 17.13,60.29 17.13,61.12 17.63,61.62 30.67,61.62 38.78,53.5 58.07,53.5 60.31,51.26 v1(60.31,44.92)
Net-(C9-Pad2): length 2.3
  Top w0.25: R49.1 18.28,67.68 C9.2
Net-(C10-Pad1): length 44
  Top w0.25: IC5.6 41.62,42.28 ; v1(17.9,60.79) 18,60.7 IC3.4 ; v1(40.12,52.43) 37.78,50.09 37.78,44.34 38.96,43.16 40.43,43.16 C10.1
  Bottom w0.25: v1(40.12,52.43) 39.09,52.43 30.38,61.15 18.25,61.15 v1(17.9,60.79)
Net-(C29-Pad1): length 12
  Top w0.25: 19.33,30.57 C29.1 15.95,31.76 15.95,33.45 15.61,33.78 14.28,33.78 11.04,30.54
Net-(C29-Pad2): length 7.7
  Top w0.25: R63.2 C29.2 ; IC9.2 18.05,29.45 R64.1 15.13,30.54
Net-(C32-Pad1): length 6.4
  Top w0.25: R66.2 26.02,28.18 IC9.6 ; R65.1 26.68,25.41
Net-(C32-Pad2): length 30.1
  Top w0.25: v1(18.53,32.73) 17.16,32.73 ; 25.12,29.45 26.2,30.52 27.65,30.52 R65.2 27.86,28.68 27.86,26.22 C32.2 30.08,25.36 v1(30.09,25.36)
  Bottom w0.25: v1(30.09,25.36) 30.09,31.33 29.07,32.35 18.91,32.35 v1(18.53,32.73)
